# Altium PCB SDRdrum_Arty_RevC.PcbDoc (continued)
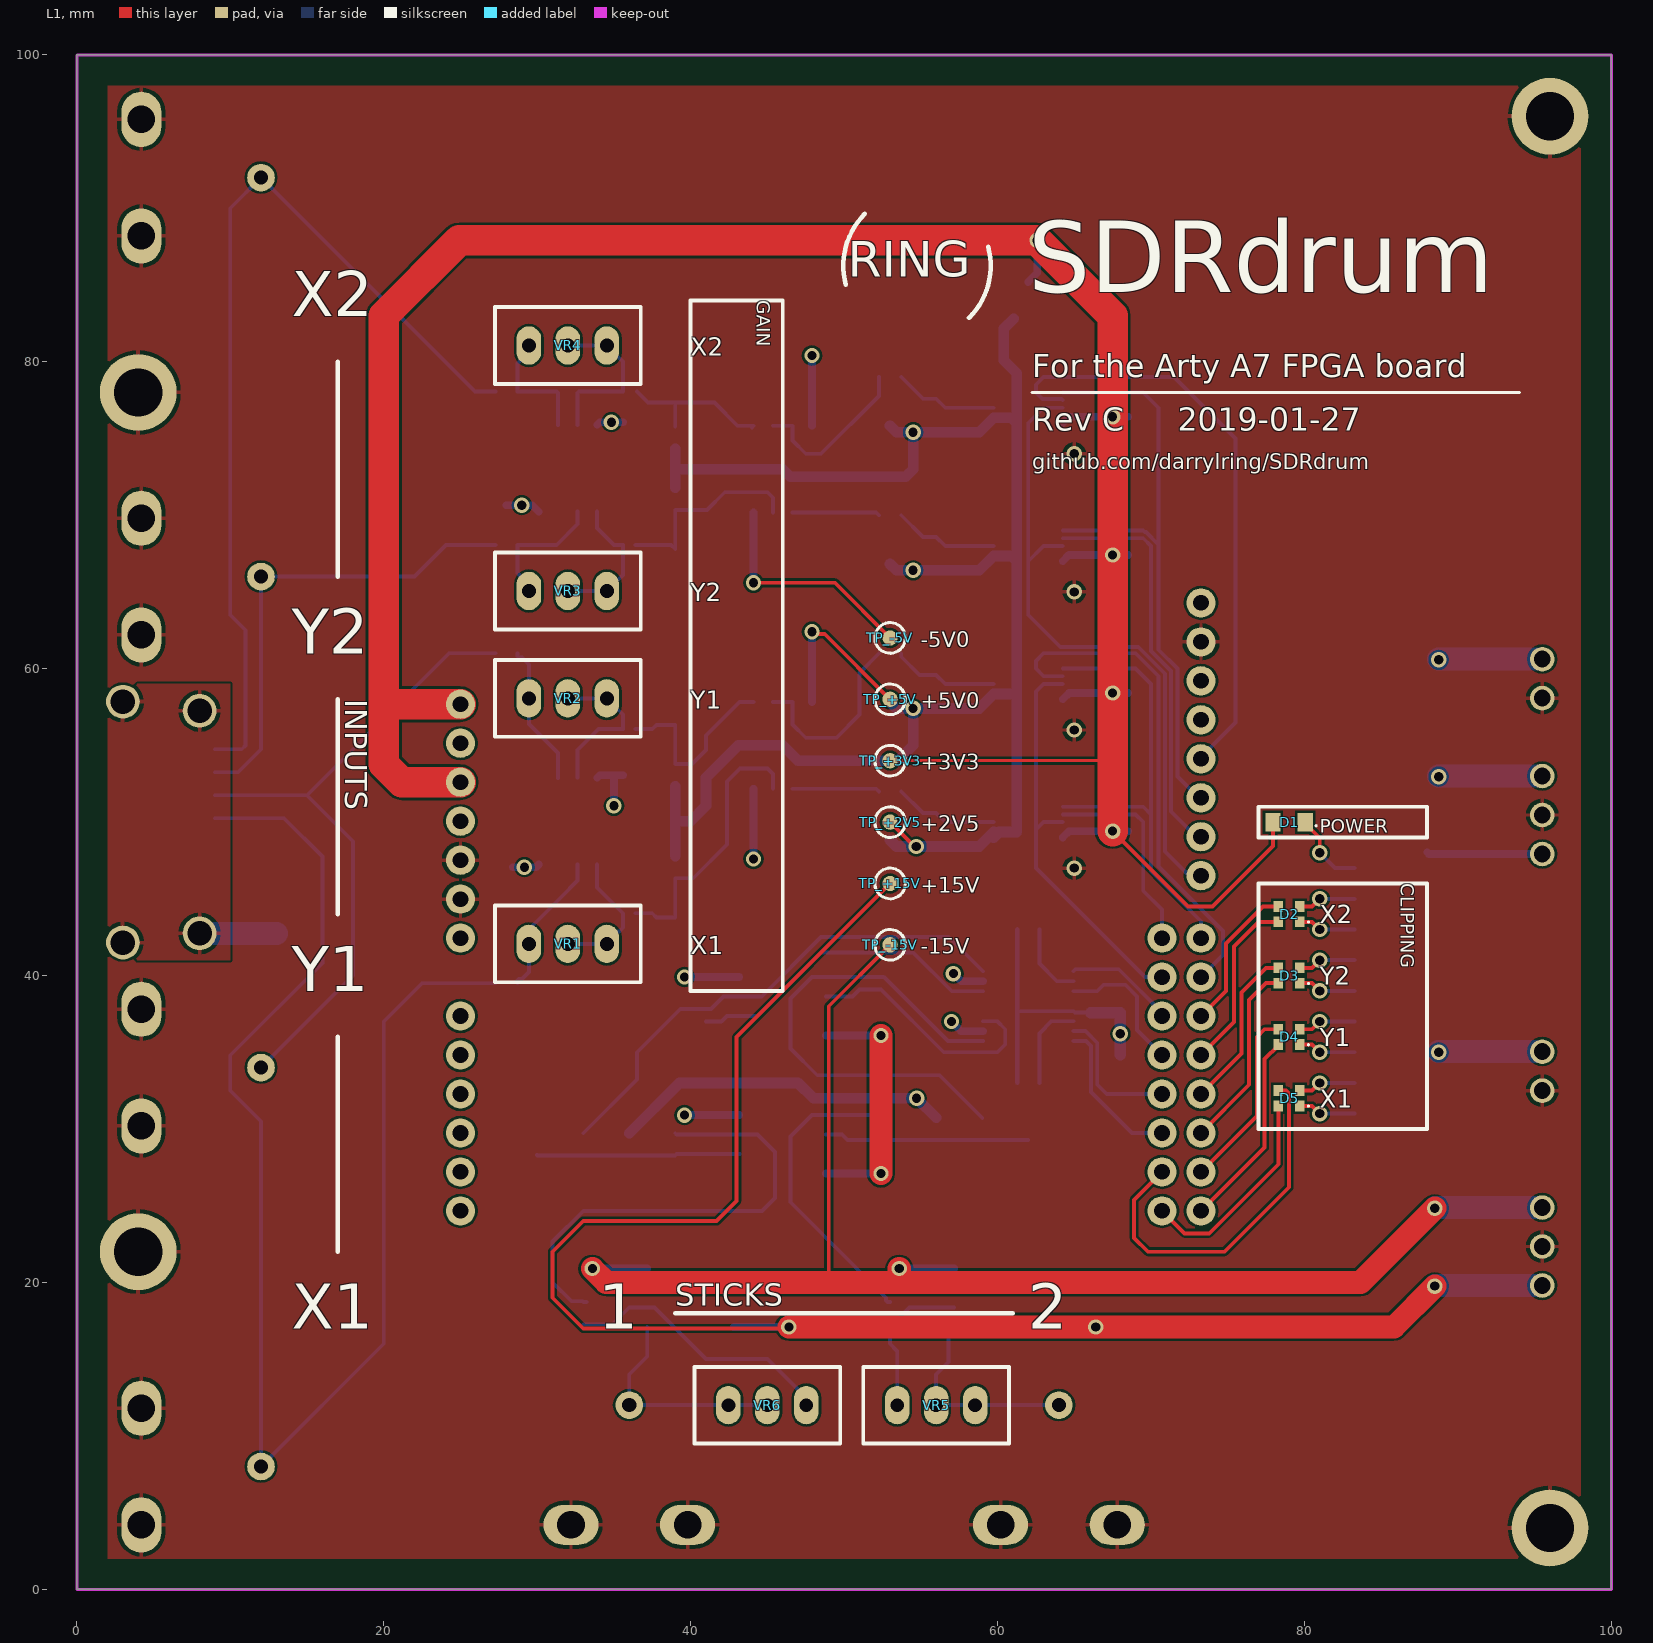
[diagram p0: L1 view]
## Components (designator, comment, footprint, x,y, rotation, side; value= is the part's Value field where it differs from the comment)
C1 "Capacitor" CAP-0402-M 36,44.06 r0 bottom value=1µF
C2 "CAP 2200pF ±10% 25V 0402 X7R" CAP-0402-M 56,51 r270 bottom value=2200pF
C3 "Capacitor" CAP-0402-M 36,56.06 r0 bottom value=1µF
C4 "CAP 2200pF ±10% 25V 0402 X7R" CAP-0402-M 56,60 r270 bottom value=2200pF
C5 "Capacitor" CAP-0402-M 36,68.06 r0 bottom value=1µF
C6 "CAP 2200pF ±10% 25V 0402 X7R" CAP-0402-M 56,69 r270 bottom value=2200pF
C7 "Capacitor" CAP-0402-M 36,78.06 r0 bottom value=1µF
C8 "CAP 2200pF ±10% 25V 0402 X7R" CAP-0402-M 56,78 r270 bottom value=2200pF
C9 "Capacitor" CAP-0402-M 36,53.06 r0 bottom value=0.10µF
C10 "Capacitor" CAP-0402-M 47.5,61 r180 bottom value=0.10µF
C11 "Capacitor" CAP-0402-M 36,76.06 r0 bottom value=0.10µF
C12 "Capacitor" CAP-0402-M 47.5,79 r180 bottom value=0.10µF
C13 "Capacitor" CAP-0402-M 28,47.06 r180 bottom value=0.10µF
C14 "Capacitor" CAP-0402-M 44.5,49 r0 bottom value=0.10µF
C15 "Capacitor" CAP-0402-M 28,71.06 r90 bottom value=0.10µF
C16 "Capacitor" CAP-0402-M 44.5,67 r0 bottom value=0.10µF
C17 "Capacitor" CAP-0402-M 65,16.5 r270 bottom value=0.10µF
C18 "Capacitor" CAP-0402-M 41,31.5 r90 bottom value=0.10µF
C19 "Capacitor" CAP-0402-M 55,21.5 r90 bottom value=0.10µF
C20 "Capacitor" CAP-0402-M 51,26.59 r270 bottom value=0.10µF
C21 "Capacitor" CAP-0402-M 56,48 r270 bottom value=0.10µF
C22 "Capacitor" CAP-0402-M 45,16.5 r270 bottom value=0.10µF
C23 "Capacitor" CAP-0402-M 56,57 r270 bottom value=0.10µF
C24 "Capacitor" CAP-0402-M 35,21.5 r90 bottom value=0.10µF
C25 "Capacitor" CAP-0402-M 66.5,49 r270 bottom value=0.10µF
C26 "Capacitor" CAP-0402-M 68.5,49 r270 bottom value=1µF
C27 "Capacitor" CAP-0402-M 66.5,58 r270 bottom value=0.10µF
C28 "Capacitor" CAP-0402-M 68.5,58 r270 bottom value=1µF
C29 "Capacitor" CAP-0805-M 53,48 r90 bottom value=10µF
C30 "Capacitor" CAP-0805-M 53,57 r90 bottom value=10µF
C31 "Capacitor" CAP-0402-M 56,66 r270 bottom value=0.10µF
C32 "CAP 100pF ±5% 50V 0603 C0G, NP0" CAP-0603-M 62,30 r270 bottom value=100pF
C33 "Capacitor" CAP-0402-M 56,75 r270 bottom value=0.10µF
C34 "CAP 100pF ±5% 50V 0603 C0G, NP0" CAP-0603-M 30,29 r270 bottom value=100pF
C35 "Capacitor" CAP-0402-M 66.5,67 r270 bottom value=0.10µF
C36 "Capacitor" CAP-0402-M 68.5,67 r270 bottom value=1µF
C37 "Capacitor" CAP-0402-M 66.5,76 r270 bottom value=0.10µF
C38 "Capacitor" CAP-0402-M 68.5,76 r270 bottom value=1µF
C39 "Capacitor" CAP-0805-M 53,66 r90 bottom value=10µF
C40 "Capacitor" CAP-0805-M 53,75 r90 bottom value=10µF
C41 "Capacitor" CAP-0805-M 68,34 r90 bottom value=10µF
C42 "Capacitor" CAP-0402-M 68,38 r90 bottom value=0.10µF
C43 "CAP 6.8pF ±0.5pF 50V 0402 C0G, NP0" CAP-0402-M 51,39.5 r90 bottom value=6.8pF
C44 "CAP 6.8pF ±0.5pF 50V 0402 C0G, NP0" CAP-0402-M 41,37.41 r90 bottom value=6.8pF
C45 "Capacitor" CAP-0402-M 41,40.5 r90 bottom value=0.10µF
C46 "Capacitor" CAP-0402-M 51,35.41 r270 bottom value=0.10µF
C47 "Capacitor" CAP-0402-M 63,87 r0 bottom value=1µF
C48 "Capacitor" CAP-0402-M 60,81 r180 bottom value=1µF
C49 "Capacitor" CAP-0805-M 90.5,34.25 r90 bottom value=10µF
C50 "CAP 220nF ±10% 25V 0805 X7R" CAP-0805-M 90.5,20.5 r270 bottom value=220nF
C51 "Capacitor" CAP-0805-M 90.5,59.75 r90 bottom value=10µF
C52 "CAP 220nF ±10% 25V 0805 X7R" CAP-0805-M 90.5,48.75 r270 bottom value=220nF
C53 "CAP 220nF ±10% 25V 0805 X7R" CAP-0805-M 90.5,24 r90 bottom value=220nF
C54 "CAP 220nF ±10% 25V 0805 X7R" CAP-0805-M 90.5,52.25 r90 bottom value=220nF
D1 "150060BS75000" WL-SMCW-0603-B 79,50 r180 top
D2 "150066SV74000" WL-SBCW-0606-GR 79,44 r180 top
D3 "150066SV74000" WL-SBCW-0606-GR 79,40 r180 top
D4 "150066SV74000" WL-SBCW-0606-GR 79,36 r180 top
D5 "150066SV74000" WL-SBCW-0606-GR 79,32 r180 top
J1 "0731000105" 0731000105 12,8 r90 bottom
J2 "0731000105" 0731000105 12,34 r90 bottom
J3 "0731000105" 0731000105 12,66 r90 bottom
J4 "0731000105" 0731000105 12,92 r90 bottom
J5 "0731000105" 0731000105 64,12 r180 bottom
J6 "0731000105" 0731000105 36,12 r180 bottom
J7 "ARTY_1" ARTY-TH_1 49.13,47.012 r270 bottom locked
J8 "10029449-111RLF" 10029449-111RLF 8,50 r90 bottom
R1 "RES 10K 1% 1/10 W 0603 ±100ppm/°C" RES-0603-M 39,47.06 r90 bottom value=10K
R2 "Resistor" RES-0603-M 28,39.5 r180 bottom value=1K
R3 "RES 330R 1% 1/10 W 0603 ±100ppm/°C" RES-0603-M 53,52 r0 bottom value=330R
R4 "RES 10K 1% 1/10 W 0603 ±100ppm/°C" RES-0603-M 39,43.06 r90 bottom value=10K
R5 "RES 100R 1% 1/10 W 0603 ±100ppm/°C" RES-0603-M 84,43 r180 bottom value=100R
R6 "RES 10K 1% 1/10 W 0603 ±100ppm/°C" RES-0603-M 39,53.06 r270 bottom value=10K
R7 "Resistor" RES-0603-M 28,61 r180 bottom value=1K
R8 "RES 330R 1% 1/10 W 0603 ±100ppm/°C" RES-0603-M 53,61 r0 bottom value=330R
R9 "RES 10K 1% 1/10 W 0603 ±100ppm/°C" RES-0603-M 39,57.06 r270 bottom value=10K
R10 "RES 100R 1% 1/10 W 0603 ±100ppm/°C" RES-0603-M 84,45 r180 bottom value=100R
R11 "RES 10K 1% 1/10 W 0603 ±100ppm/°C" RES-0603-M 39,71.06 r90 bottom value=10K
R12 "Resistor" RES-0603-M 28,68.06 r180 bottom value=1K
R13 "RES 330R 1% 1/10 W 0603 ±100ppm/°C" RES-0603-M 53,70 r0 bottom value=330R
R14 "RES 10K 1% 1/10 W 0603 ±100ppm/°C" RES-0603-M 39,67.06 r90 bottom value=10K
R15 "RES 100R 1% 1/10 W 0603 ±100ppm/°C" RES-0603-M 84,39 r180 bottom value=100R
R16 "RES 10K 1% 1/10 W 0603 ±100ppm/°C" RES-0603-M 39,75.06 r270 bottom value=10K
R17 "Resistor" RES-0603-M 28,78.06 r180 bottom value=1K
R18 "RES 330R 1% 1/10 W 0603 ±100ppm/°C" RES-0603-M 53,79 r0 bottom value=330R
R19 "RES 10K 1% 1/10 W 0603 ±100ppm/°C" RES-0603-M 39,78.06 r270 bottom value=10K
R20 "RES 100R 1% 1/10 W 0603 ±100ppm/°C" RES-0603-M 84,47 r180 bottom value=100R
R21 "RES 10K 1% 1/10 W 0603 ±100ppm/°C" RES-0603-M 56,30 r90 bottom value=10K
R22 "RES 10K 1% 1/10 W 0603 ±100ppm/°C" RES-0603-M 53,30 r90 bottom value=10K
R23 "RES 0R Jumper 1/10 W 0603" RES-0603-M 13,42 r270 bottom value=0R
R24 "RES 4K99 1% 1/10 W 0603 ±100ppm/°C" RES-0603-M 59,30 r270 bottom value=4K99
R25 "RES 1K 1% 1/10 W 0603 ±100ppm/°C" RES-0603-M 53,18 r270 bottom value=1K
R26 "RES 10K 1% 1/10 W 0603 ±100ppm/°C" RES-0603-M 36,29 r90 bottom value=10K
R27 "RES 10K 1% 1/10 W 0603 ±100ppm/°C" RES-0603-M 39,29 r90 bottom value=10K
R29 "RES 4K99 1% 1/10 W 0603 ±100ppm/°C" RES-0603-M 33,29 r270 bottom value=4K99
R30 "RES 1K 1% 1/10 W 0603 ±100ppm/°C" RES-0603-M 33,18 r270 bottom value=1K
R31 "Resistor" RES-0603-M 62,43 r0 bottom value=1K
R32 "Resistor" RES-0603-M 62,33 r0 bottom value=1K
R33 "RES 499R 1% 1/10 W 0603 ±100ppm/°C" RES-0603-M 88,48.75 r90 bottom value=499R
R34 "RES 100R 1% 1/10 W 0603 ±100ppm/°C" RES-0603-M 84,41 r180 bottom value=100R
R35 "RES 100R 1% 1/10 W 0603 ±100ppm/°C" RES-0603-M 84,35 r180 bottom value=100R
R36 "RES 100R 1% 1/10 W 0603 ±100ppm/°C" RES-0603-M 84,37 r180 bottom value=100R
R37 "RES 100R 1% 1/10 W 0603 ±100ppm/°C" RES-0603-M 84,31 r180 bottom value=100R
R38 "RES 100R 1% 1/10 W 0603 ±100ppm/°C" RES-0603-M 84,33 r180 bottom value=100R
TP_+2V5 "+15V" TP 53,50 r90 top
TP_+3V3 "+15V" TP 53,54 r90 top
TP_+5V "+15V" TP 53,58 r90 top
TP_+15V "+15V" TP 53,46 r90 top
TP_-5V "+15V" TP 53,62 r90 top
TP_-15V "-15V" TP 53,42 r90 top
U1 "TLC082" SOIC127P600X175-8M 32,50.06 r90 bottom
U2 "TLC082" SOIC127P600X175-8M 46,55 r90 bottom
U3 "TLC082" SOIC127P600X175-8M 32,73.06 r90 bottom
U4 "TLC082" SOIC127P600X175-8M 46,73 r90 bottom
U5 "TLC082" SOIC127P600X175-8M 46,29 r180 bottom
U6 "OPA552" SOIC127P600X175-8M 60,19 r0 bottom
U7 "AD7980ARMZ" TSSOP50P490X110-10N 62,50 r0 bottom
U8 "AD7980ARMZ" TSSOP50P490X110-10N 62,59 r0 bottom
U9 "AD7980ARMZ" TSSOP50P490X110-10N 62,68 r0 bottom
U10 "AD7980ARMZ" TSSOP50P490X110-10N 62,77 r0 bottom
U11 "AD5545" TSOP65P640X120-16N 62,38 r0 bottom
U12 "LT1678" SOIC127P600X175-8M 46,38 r180 bottom
U13 "MCP1700T-2502E/TT" SOT65P237X110-3N 62,84 r90 bottom
U14 "CMR0515S3C" CMR-3C 95.5,35.04 r270 bottom
U15 "PDM1-S5-D5-S" PDM-1S 95.5,60.62 r270 bottom
U16 "OPA552" SOIC127P600X175-8M 40,19 r0 bottom
VR1 "PV36W204C01B00" PV36W 32,42.06 r0 top value=200k
VR2 "PV36W204C01B00" PV36W 32,58.06 r0 top value=200k
VR3 "PV36W204C01B00" PV36W 32,65.06 r0 top value=200k
VR4 "PV36W204C01B00" PV36W 32,81.06 r0 top value=200k
VR5 "PV36W103C01B00" PV36W 56,12 r180 top value=10k
VR6 "PV36W103C01B00" PV36W 45,12 r0 top value=10k

## Footprints (in the part's own frame and the unit in brackets; to place one, negate y for a bottom-side part, rotate by r counter-clockwise, add the part's x,y. Pads: shape width x height; smd on the part's side, far side on the other; paste and mask are expansions set on the pad)
10029449-111RLF [mm]
  oval 0.3x2 smd: 1(4.75,1) 2(4.25,1) 3(3.75,1) 4(3.25,1) 5(2.75,1) 6(2.25,1) 7(1.75,1) 8(1.25,1) 9(0.75,1) 10(0.25,1) 11(-0.25,1) 12(-0.75,1) 13(-1.25,1) 14(-1.75,1) 15(-2.25,1) 16(-2.75,1) 17(-3.25,1) 18(-3.75,1) 19(-4.25,1)
  round 2.2 hole 1.6: MH1(7.25,0) MH2(7.85,-5) MH3(-7.25,0) MH4(-7.85,-5)
  silkscreen extent -7.5,-3.5 7.5,-1.5, body extent -8.1,-8.45 8.1,1.65, height 6.28
0731000105 [mm]
  round 1.8 hole 0.92: 1(0,0)
  oval 3.6x2.6 hole 1.8: S(-3.8,-7.8) S(3.8,-7.8)
  body extent -4.82,-25.4 4.82,-3.6, height 8.62
ARTY-TH_1 [mil]
  round 75 hole 40: 2(-420,950) 3(-320,950) 4(-220,950) 5(-120,950) 6(-20,950) 7(80,950) 8(180,950) 9(380,950) 10(480,950) 11(580,950) 12(680,950) 13(780,950) 14(880,950) 33(180,-850) 34(280,-850) 35(380,-850) 36(480,-850) 37(580,-850) 38(680,-850) 39(780,-850) 40(880,-850) 43(-680,-950) 44(-580,-950) 45(-480,-950) 46(-380,-950) 47(-280,-950) 48(-180,-950) 49(-80,-950) 50(20,-950) 51(180,-950) 52(280,-950) 53(380,-950) 54(480,-950) 55(580,-950) 56(680,-950) 57(780,-950) 58(880,-950)
  body extent -3210,-1749 1169,1651, height 697
CAP-0402-M [mm] "Chip Capacitor, 2-Leads, Body 1.00x0.50mm, IPC High Density"
  rect 0.52x0.52 smd: 1(-0.41,0) 2(0.41,0)
  silkscreen extent -1,-0.5 1,0.5, body extent -0.52,-0.28 0.52,0.27, height 0.55
CAP-0603-M [mm] "Chip Capacitor, 2-Leads, Body 1.60x0.80mm, IPC Medium Density"
  rect 0.8x1 smd: 1(-0.7,0) 2(0.7,0)
  silkscreen extent -1.4,-0.8 1.4,0.8, body extent -0.87,-0.48 0.88,0.48, height 0.9
CAP-0805-M [mm] "Chip Capacitor, 2-Leads, Body 2.00x1.25mm, IPC High Density"
  rect 0.8x1.3 smd: 1(-0.825,0) 2(0.825,0)
  silkscreen extent -1.5,-0.9 1.5,0.9, body extent -1.05,-0.67 1.05,0.68, height 1.35
CMR-3C [mm]
  round 1.6 hole 1.1: 1(0,0) 2(2.54,0) 3(10.16,0) 4(12.7,0) 5(15.24,0)
  silkscreen extent -1.88,-4.75 17.62,1.25, body extent -2,-4.75 17.62,1.25, height 10
PDM-1S [mm]
  round 1.6 hole 1.1: 1(0,0) 2(2.54,0) 3(7.62,0) 4(10.16,0) 5(12.7,0)
  silkscreen extent -1.88,-4.75 17.62,1.25, body extent -2,-4.75 17.62,1.25, height 10
PV36W [mm]
  oval 1.6x2.5 hole 0.9: 1(-2.54,0) 2(0,0) 3(2.54,0)
  silkscreen extent -4.75,-2.5 4.75,2.5, body extent -4.75,-2.5 4.75,2.5, height 10
RES-0603-M [mm] "Chip Resistor, 2-Leads, Body 1.60x0.80mm, IPC High Density"
  rect 0.45x0.8 smd: 1(-0.725,0) 2(0.725,0)
  silkscreen extent -1.2,-0.7 1.2,0.7, body extent -0.85,-0.45 0.85,0.45, height 0.55
SOIC127P600X175-8M [mm] "SOIC, 8-Leads, Body 4.90x3.90mm, Pitch 1.27mm, IPC Low Density"
  oval 1.65x0.65 smd: 1(-2.825,1.905) 2(-2.825,0.635) 3(-2.825,-0.635) 4(-2.825,-1.905) 5(2.825,-1.905) 6(2.825,-0.635) 7(2.825,0.635) 8(2.825,1.905)
  silkscreen extent -2.95,-2.5 1.6,2.91, body extent -3,-2.5 3,2.5, height 1.75
SOT65P237X110-3N [mm] "SOT23, 3-Leads, Body 2.86x2.37mm, Pitch 0.65mm, IPC Medium Density"
  rect 1x0.65 smd: 1(-1.2,0.95) 2(-1.2,-0.95) 3(1.2,0)
  silkscreen extent -1.32,-1.55 0.7,2.02, body extent -1.32,-1.53 1.32,1.53, height 1.1
TP [mm]
  round 1 smd: 1(0,0)
  silkscreen extent -1,-1 1,1
TSOP65P640X120-16N [mm] "TSOP, 16-Leads, Body 5.00x4.40mm, Pitch 0.65mm, IPC Medium Density"
  oval 1.4x0.45 smd: 1(-2.95,2.275) 2(-2.95,1.625) 3(-2.95,0.975) 4(-2.95,0.325) 5(-2.95,-0.325) 6(-2.95,-0.975) 7(-2.95,-1.625) 8(-2.95,-2.275) 9(2.95,-2.275) 10(2.95,-1.625) 11(2.95,-0.975) 12(2.95,-0.325) 13(2.95,0.325) 14(2.95,0.975) 15(2.95,1.625) 16(2.95,2.275)
  silkscreen extent -3.07,-2.55 1.85,3.17, body extent -3.2,-2.55 3.2,2.55, height 1.2
TSSOP50P490X110-10N [mm] "TSSOP, 10-Leads, Body 3.00x3.00mm, Pitch 0.50mm, IPC Medium Density"
  oval 1.4x0.3 smd: 1(-2.25,1) 2(-2.25,0.5) 3(-2.25,0) 4(-2.25,-0.5) 5(-2.25,-1) 6(2.25,-1) 7(2.25,-0.5) 8(2.25,0) 9(2.25,0.5) 10(2.25,1)
  silkscreen extent -2.37,-1.55 1.15,1.82, body extent -2.45,-1.55 2.45,1.55, height 1.1
WL-SBCW-0606-GR [mm] "Chip Array, Concave, 4-Leads, Pitch 0.85mm,  Body 1.60x1.60mm,  IPC Medium Density"
  rect 0.6x0.7 smd: 1(-0.7,-0.5) 2(0.7,-0.5) 3(-0.7,0.5) 4(0.7,0.5)
  silkscreen extent -1.31,0.46 -1.21,0.56, body extent -0.9,-0.85 0.9,0.85, height 0.7
WL-SMCW-0603-B [mm] "Chip Array, Concave, 2-Leads, Pitch 1.27mm,  Body 1.25x2.00mm,  IPC Medium Density"
  rect 1x1.2 smd: 1(-1.05,0) 2(1.05,0)
  silkscreen extent -1.81,0.19 -1.71,0.29, body extent -1.1,-0.67 1.1,0.67, height 0.7

## Part data
C1 C3 C5 C7 C26 C28 C36 C38 C47 C48: library part CC0402KRX5R6BB105, Manufacturer=Yageo, Manufacturer Series=CC, Package=0402, Supplier Part Number 1=311-1439-1-ND, Temperature Coefficient=X5R, Temperature Range="-55°C ~ 85°C", Tolerance=±10%, Voltage=10V, Component Type=Standard, Part Number=CC0402KRX5R6BB105, Supplier 1=Digi-Key
C2 C4 C6 C8: library part CC0402KRX7R8BB222, Manufacturer=Yageo, Manufacturer Series=CC, Package=0402, Supplier Part Number 1=311-1714-1-ND, Temperature Coefficient=X7R, Temperature Range="-55°C ~ 125°C", Tolerance=±10%, Voltage=25V, Component Type=Standard, Part Number=CC0402KRX7R8BB222, Supplier 1=Digi-Key
C9 C10 C11 C12 C13 C14 C15 C16 C17 C18 C19 C20 C21 C22 C23 C24 C25 C27 C31 C33 C35 C37 C42 C45 C46: library part CC0402KRX5R6BB104, Manufacturer=Yageo, Manufacturer Series=CC, Package=0402, Supplier Part Number 1=311-1336-1-ND, Temperature Coefficient=X5R, Temperature Range="-55°C ~ 85°C", Tolerance=±10%, Voltage=10V, Component Type=Standard, Part Number=CC0402KRX5R6BB104, Supplier 1=Digi-Key
C29 C30 C39 C40 C41 C49 C51: library part CC0805KKX5R6BB106, Manufacturer=Yageo, Manufacturer Series=CC, Package=0805, Supplier Part Number 1=311-1460-1-ND, Temperature Coefficient=X5R, Temperature Range="-55°C ~ 85°C", Tolerance=±10%, Voltage=10V, Component Type=Standard, Part Number=CC0805KKX5R6BB106, Supplier 1=Digi-Key
C32 C34: library part CC0603JRNPO9BN101, Manufacturer=Yageo, Manufacturer Series=CC, Package=0603, Supplier Part Number 1=311-1069-1-ND, Temperature Coefficient="C0G, NP0", Temperature Range="-55°C ~ 125°C", Tolerance=±5%, Voltage=50V, Component Type=Standard, Part Number=CC0603JRNPO9BN101, Supplier 1=Digi-Key
C43 C44: library part CC0402DRNPO9BN6R8, Manufacturer=Yageo, Manufacturer Series=CC, Package=0402, Supplier Part Number 1=311-1637-1-ND, Temperature Coefficient="C0G, NP0", Temperature Range="-55°C ~ 125°C", Tolerance=±0.5pF, Voltage=50V, Component Type=Standard, Part Number=CC0402DRNPO9BN6R8, Supplier 1=Digi-Key
C50 C52 C53 C54: library part CC0805KRX7R8BB224, Manufacturer=Yageo, Manufacturer Series=CC, Package=0805, Supplier Part Number 1=311-1432-1-ND, Temperature Coefficient=X7R, Temperature Range="-55°C ~ 125°C", Tolerance=±10%, Voltage=25V, Component Type=Standard, Part Number=CC0805KRX7R8BB224, Supplier 1=Digi-Key
D1: "LED, Blue (470 nm), 145 mcd, 20 mA, 0805", Supplier Part Number 1=475-1410-1-ND, Supplier 1=Digi-Key
D2 D3 D4 D5: "LED, Green (570 nm)/Red (630 nm), Independent, 30 mcd/55 mcd, 20 mA, 0606"
R1 R4 R6 R9 R11 R14 R16 R19 R21 R22 R26 R27: library part RC0603FR-0710KL, Manufacturer=Yageo, Manufacturer Series=RC, Package=0603, Power="1/10 W", Supplier Part Number 1=311-10.0KHRCT-ND, Temperature Coefficient=±100ppm/°C, Temperature Range="-55°C ~ 155°C", Tolerance=1%, Component Type=Standard, Part Number=RC0603FR-0710KL, Supplier 1=Digi-Key
R2 R7 R12 R17 R25 R30 R31 R32: library part RC0603FR-071KL, Manufacturer=Yageo, Manufacturer Series=RC, Package=0603, Power="1/10 W", Supplier Part Number 1=311-1.00KHRCT-ND, Temperature Coefficient=±100ppm/°C, Temperature Range="-55°C ~ 155°C", Tolerance=1%, Component Type=Standard, Part Number=RC0603FR-071KL, Supplier 1=Digi-Key
R3 R8 R13 R18: library part RC0603FR-07330RL, Manufacturer=Yageo, Manufacturer Series=RC, Package=0603, Power="1/10 W", Supplier Part Number 1=311-330HRCT-ND, Temperature Coefficient=±100ppm/°C, Temperature Range="-55°C ~ 155°C", Tolerance=1%, Component Type=Standard, Part Number=RC0603FR-07330RL, Supplier 1=Digi-Key
R5 R10 R15 R20 R34 R35 R36 R37 R38: library part RC0603FR-07100RL, Manufacturer=Yageo, Manufacturer Series=RC, Package=0603, Power="1/10 W", Supplier Part Number 1=311-100HRCT-ND, Temperature Coefficient=±100ppm/°C, Temperature Range="-55°C ~ 155°C", Tolerance=1%, Component Type=Standard, Part Number=RC0603FR-07100RL, Supplier 1=Digi-Key
R23: library part RC0603FR-070RL, Manufacturer=Yageo, Manufacturer Series=RC, Package=0603, Power="1/10 W", Supplier Part Number 1=311-0.0HRCT-ND, Temperature Range="-55°C ~ 155°C", Tolerance=Jumper, Component Type=Standard, Part Number=RC0603FR-070RL, Supplier 1=Digi-Key
R24 R29: library part RC0603FR-074K99L, Manufacturer=Yageo, Manufacturer Series=RC, Package=0603, Power="1/10 W", Supplier Part Number 1=311-4.99KHRCT-ND, Temperature Coefficient=±100ppm/°C, Temperature Range="-55°C ~ 155°C", Tolerance=1%, Component Type=Standard, Part Number=RC0603FR-074K99L, Supplier 1=Digi-Key
R33: library part RC0603FR-07499RL, Manufacturer=Yageo, Manufacturer Series=RC, Package=0603, Power="1/10 W", Supplier Part Number 1=311-499HRCT-ND, Temperature Coefficient=±100ppm/°C, Temperature Range="-55°C ~ 155°C", Tolerance=1%, Component Type=Standard, Part Number=RC0603FR-07499RL, Supplier 1=Digi-Key
TP_+2V5 TP_+3V3 TP_+5V TP_+15V TP_-5V TP_-15V: library part TP
U1 U2 U3 U4 U5: "36-V, PrOperational Amplifiers, 8-Pin SOIC"
U6 U16: "Op Amp, 12 MHz, 24 V/us, +/-30 V, 8 SOIC"
U11: "Dual, Current-Output, Serial-Input, 16-Bit DAC, 16-Pin TSSOP", Supplier Part Number 1=AD5545BRUZ-ND, Supplier 1=Digi-Key
U12: "Dual/Quad Low Noise, Rail-to-Rail, Precision Op Amps, 8-Pin SOIC", Supplier Part Number 1=LT1678CS8#PBF-ND, Supplier 1=Digi-Key
U13: Supplier Part Number 1=MCP1700T-2502E/TTCT-ND, Supplier 1=Digi-Key
U14: Supplier Part Number 1=811-2900-5-ND, Supplier 1=Digi-Key
VR5 VR6: "Potentiometer, 10 k, 10%, 0.5 W, Through Hole"

## Free pads (board coordinates)
  round 5 hole 3.15: 0(4,22) 0(4,78) 0(96,4) 0(96,96)

## Via types
v1: diameter 1, hole 0.6, L1 to L4, tented both sides, 47 vias

## Nets (pads, with @x,y where several pads share a name; then routed paths per layer and width w, separated by ;. In a path a pad name is that pad's centre, name@x,y a point inside that pad or via, vN(x,y) a via of type N, cw(c..) or ccw(c..) an arc to the next point about the centre after c; other vN are vias at no path point)
+2V5: C21.1 C23.1 C29.2 C30.2 C31.1 C33.1 C39.2 C40.2 C48.1 R1.2 R6.2 R11.2 R16.2 R21.2 R26.2 TP_+2V5.1 U7.1 U7.2 U8.1 U8.2 U9.1 U9.2 U10.1 U10.2 U11.2 U11.7 U13.2 | length 164.5
  L1 w0.254: TP_+2V5.1 54.59,48.41 v1(54.708,48.41)
  L3 (PWR) w0.5: v1(54.708,48.41) 57,46.118 v1(57,37)
  L3 (PWR) w0.7: v1(54.725,32) 57,34.275 v1(57,37)
  L4 w0.5: v1(57,37) 57.625,36.375 U11.2 ; v1(57.125,40.125) 57.626,39.625 U11.7
  L4 w0.7: R26.2 39.275,33 47,33 48,32 v1(54.725,32) R21.2 ; R1.2 39,50.06 ; R6.2 39,50.06 ; R11.2 39,73 ; R16.2 39,73 ; C29.2 53.415,48.41 v1(54.708,48.41) C21.1 58.814,48.41 59.75,49.346 ; C30.2 53.415,57.41 v1(54.5,57.41) ; C39.2 53.415,66.41 v1(54.5,66.41) C31.1 58.814,66.41 59.75,67.346 60.904,67.346 61.25,67 ; C40.2 53.415,75.41 v1(54.5,75.41) ; U7.1 60.096,49.346 61.25,49.346 61.25,58.173 ; U13.2 60.41,82.16 C48.1 60.41,80.09 61.25,79.25 61.25,76 ; 39,50.06 40,50.06 41,51.06 41,52.885 43.115,55 46,55 47,54 53.5,54 54.5,55 v1(54.5,57.41) ; 39,73 46,73 46.5,72.5 54,72.5 54.5,73 v1(54.5,75.41) ; v1(54.5,57.41) C23.1 58.814,57.41 59.75,58.346 61.077,58.346 61.25,58.173 ; v1(54.5,75.41) C33.1 58.814,75.41 59.75,76.346 60.904,76.346 61.25,76 ; 61.25,58.173 61.25,67 ; 61.25,67 61.25,76
+3V3: C25.1 C26.1 C27.1 C28.1 C35.1 C36.1 C37.1 C38.1 C47.1 D1.2 J7.2 J7.4 TP_+3V3.1 U7.9 U7.10 U8.9 U8.10 U9.9 U9.10 U10.9 U10.10 U13.3 | length 175.5
  L1 w0.2: TP_+3V3.1 67.5,54
  L1 w0.254: v1(67.5,49.41) 72.41,44.5 74,44.5 77.95,48.45 D1.2
  L1 w2: 20,57.85 20,83 24.91,87.91 v1(62.59,87.91) 67.5,83 v1(67.5,76.41) 67.5,54 v1(67.5,49.41) ; J7.4 21.172,52.6 20,53.772 20,57.68 J7.2
  L4 w0.5: U13.3 62.59,85.79 C47.1 v1(62.59,87.91) ; U7.10 64.66,49.41 C25.1 v1(67.5,49.41) C26.1 ; U8.10 64.66,58.41 C27.1 v1(67.5,58.41) C28.1 ; U9.10 64.66,67.41 C35.1 v1(67.5,67.41) C36.1 ; U10.10 64.66,76.41 C37.1 v1(67.5,76.41) C38.1
+5V: C9.1 C10.1 C11.1 C12.1 C18.1 C41.2 C42.1 C45.1 C49.2 C51.2 J7.5 R31.1 R32.1 TP_+5V.1 U1.8 U2.8 U3.8 U4.8 U5.8 U11.13 U12.8 U14.1 U15.1 | length 61.9
  L1 w0.254: v1(47.905,62.405) 48.048,62.262 48.738,62.262 TP_+5V.1
  L4 w0.25: 61.275,37.5 61.45,37.675 U11.13 65.035,37.59 66.09,37.59
  L4 w0.3: R32.1 61.275,37.5 R31.1
  L4 w0.5: U1.8 34.08,53.06 35,53.06 ; U3.8 34.08,76.06 v1(34.835,76.06) C11.1 ; v1(35,51.06) 35,53.06 ; C9.1 35,53.06 ; v1(39.595,30.905) U5.8 ; v1(39.595,39.905) U12.8 ; U2.8 v1(47.905,62.405) ; U4.8 v1(47.905,80.405)
  L4 w0.75: 66.09,37.59 C42.1 C41.2
  L4 w1.5: v1@88.75,35.04 U14.1 ; v1@88.75,60.62 U15.1
  other v1: 88.75,34.998 68,36.208 88.75,60.578
+15V: C17.1 C22.1 C50.2 TP_+15V.1 U6.8 U14.5 U16.8 | length 114.8
  L1 w0.254: v1(46.405,17.095) 46.31,17 33,17 31,19 31,22 33,24 41.69,24 43,25.31 43,36 TP_+15V.1
  L1 w1.5: v1(46.405,17.095) v1(66.405,17.095) 85.837,17.095 v1(88.5,19.758)
  L4 w0.5: U16.8 v1(46.405,17.095) ; U6.8 v1(66.405,17.095)
  L4 w1.5: v1@88.5,19.8 U14.5
-5V: C13.1 C14.1 C15.1 C16.1 C20.1 C46.1 C54.2 TP_-5V.1 U1.4 U2.4 U3.4 U4.4 U5.4 U12.4 U15.3 | length 115.5
  L1 w0.254: v1(44.095,65.595) 49.405,65.595 TP_-5V.1
  L1 w1.5: v1(52.405,27.095) v1(52.405,36.095)
  L3 (PWR) w1.5: 41,72 69.708,72 v1(88.75,52.958)
  L3 (PWR) w2: 44.475,46.15 44.475,44.025 v1(52.405,36.095)
  L4 w0.5: C15.1 v1(29,70.65) 29.68,70.65 U3.4 ; C13.1 29.92,47.06 U1.4 ; v1(44.095,47.595) U2.4 ; v1(44.095,65.595) U4.4 ; U5.4 v1(52.405,27.095) ; U12.4 v1(52.405,36.095)
  L4 w1.5: v1@88.75,53 U15.3
  other v1: 29.165,47.06
-15V: C19.1 C24.1 C53.2 TP_-15V.1 U6.4 U14.3 U16.4 | length 96.1
  L1 w0.254: 49,20 49,38 TP_-15V.1
  L1 w1.5: v1(33.595,20.905) 34.5,20 49,20 53.46,20 ; v1(53.595,20.905) 53.595,20.135 53.46,20 ; v1(88.5,24.838) 83.662,20 53.46,20
  L4 w0.5: v1(33.595,20.905) U16.4 ; v1(53.595,20.905) U6.4
  L4 w1.5: v1@88.5,24.88 U14.3
A_CLIP: D2.2 J7.53 | length 9.8
  L1 w0.254: J7.53 74.9,39 74.9,42.1 77.3,44.5 D2.2
A_OK: D2.4 J7.54 | length 11.5
  L1 w0.254: J7.54 75.4,36.96 75.4,41.9 77,43.5 D2.4
ADC_A_DATA: J7.47 U10.7 | length 39.2
  L4 w0.25: U10.7 64.181,77.569 62.931,77.569 62.5,78 62.5,78.5 63,79 71.5,79 75.5,75 75.5,56.482 J7.47@73.13,54.112
ADC_A_IN: C8.2 R18.2 U10.3 | length 6.9
  L4 w0.25: R18.2 55.135,77.59 C8.2 56.59,77 U10.3
ADC_AB_CLK: J7.50 U9.8 U10.8 | length 42.8
  L4 w0.25: U9.8 63,68 62,67 ; U10.8 63,77 62,76 62,67 ; J7.50@73.13,46.492 72.508,46.492 70.908,48.092 70.908,59.669 69.169,61.408 64.092,61.408 62,63.5 62,67
ADC_AB_CNV: J7.48 U9.6 U10.6 | length 39.8
  L4 w0.25: U9.6 69.5,69 69.592,68.908 69.669,68.908 70.5,68.077 ; U10.6 69.5,78 70.5,77 70.5,68.077 ; J7.48@73.13,51.572 71.724,52.978 71.724,60.007 70.5,61.231 70.5,68.077
ADC_B_DATA: J7.49 U9.7 | length 26.3
  L4 w0.25: U9.7 69.5,68.5 70,68 70,61.154 71.316,59.838 71.316,50.684 72.968,49.032 J7.49@73.13,49.032
ADC_B_IN: C6.2 R13.2 U9.3 | length 6.9
  L4 w0.25: R13.2 55.135,68.59 C6.2 56.59,68 U9.3
ADC_C_DATA: J7.52 U8.7 | length 33.2
  L4 w0.25: U8.7 63,59.5 62.5,60 62.5,60.5 63,61 69,61 70.5,59.5 70.5,47.1 74.7,42.9 74.7,41.34 J7.52
ADC_C_IN: C4.2 R8.2 U8.3 | length 7
  L4 w0.25: R8.2 53.725,60.775 54.91,59.59 C4.2 56.59,59 U8.3
ADC_CD_CLK: J7.34 U7.8 U8.8 | length 26.6
  L4 w0.25: U7.8 63,50 62.5,49.5 ; U8.8 63,59 62.5,58.5 62.5,49.5 ; J7.34 69.6,39.9 62.5,47 62.5,49.5
ADC_CD_CNV: J7.51 U7.6 U8.6 | length 30
  L4 w0.25: U7.6 69.5,51 70,50.5 ; U8.6 69,60 70,59 70,50.5 ; J7.51 73.26,43.54 70,46.8 70,50.5
ADC_D_DATA: J7.33 U7.7 | length 13.8
  L4 w0.25: U7.7 69,50.5 69.5,50 69.5,45.52 70.72,44.3 J7.33 J7.33@70.5,42.66
ADC_D_IN: C2.2 R3.2 U7.3 | length 6.9
  L4 w0.25: R3.2 55.135,50.59 C2.2 56.59,50 U7.3
B_CLIP: D3.2 J7.55 | length 10.8
  L1 w0.254: J7.55 75.9,34.92 75.9,38.892 77.508,40.5 D3.2
B_OK: D3.4 J7.56 | length 12.3
  L1 w0.254: J7.56 76.4,32.88 76.4,38.4 77.5,39.5 D3.4
C_CLIP: D4.2 J7.57 | length 11.9
  L1 w0.254: J7.57 76.9,30.84 76.9,36 77.4,36.5 D4.2
C_OK: D4.4 J7.58 | length 12.9
  L1 w0.254: J7.58 77.4,28.8 77.4,34.55 78.3,35.45 D4.4
CRNR_IN1: J4.1 J8.1 R17.2 | length 61.4
  L4 w0.25: J8.1 10.75,54.75 11,55 11,62.5 10,63.5 10,90 J4.1 25.94,78.06 R17.2
CRNR_IN2: J3.1 J8.4 R12.2 | length 31
  L4 w0.25: J8.4 10.5,53.25 12,54.75 J3.1 22,66 24.06,68.06 R12.2
CRNR_IN3: J2.1 J8.7 R7.2 | length 43.6
  L4 w0.25: J8.7 15,51.75 ; J2.1 18,40 18,48.75 15,51.75 ; R7.2 24.25,61 15,51.75
CRNR_IN4: J1.1 J8.10 R2.2 | length 91.7
  L4 w0.25: J8.10 13.5,50.25 16,47.75 16,40.8 10,34.8 10,32.5 12,30.5 J1.1 20,16 20,37 22.5,39.5 R2.2
D_CLIP: D5.2 J7.39 | length 24.1
  L1 w0.254: J7.39 68.9,25.38 68.9,22.9 69.8,22 74.8,22 79,26.2 79,32.3 78.8,32.5 D5.2
D_OK: D5.4 J7.40 | length 13.8
  L1 w0.254: J7.40 72.18,23.2 73.8,23.2 78.3,27.7 D5.4
DAC_CLK: J7.38 U11.16 | length 10
  L4 w0.25: U11.16 65.775,35.725 66.09,35.41 66.09,32.41 68.76,29.74 J7.38
DAC_CS: J7.36 U11.11 | length 9.1
  L4 w0.25: U11.11 66.475,38.975 66.9,39.4 68.338,39.4 69.1,38.638 69.1,38.056 69.083,38.038 69.083,36.457 J7.36
DAC_LDAC: J7.37 U11.15 | length 9
  L4 w0.25: U11.15 65.725,36.375 66.5,35.6 66.5,32.9 67.12,32.28 J7.37
DAC_OUT1: C43.2 R24.1 U11.1 U12.1 | length 32.5
  L4 w0.25: R24.1 56.225,33.5 48.25,33.5 46.5,35.25 46.5,38.5 47.905,39.905 U12.1 48.83,39.91 C43.2 52.59,39.91 56.775,35.725 U11.1
DAC_OUT1_I: C43.1 U11.3 U12.2 | length 16.4
  L4 w0.25: U12.2 50.545,38.635 C43.1 52.41,39.09 56.5,35 60,35 60.5,35.5 60.5,36.5 59.975,37.025 U11.3
DAC_OUT2: C44.2 R29.1 U11.8 U12.7 | length 33.3
  L4 w0.25: R29.1 36.5,33.225 36.5,35 39.32,37.82 C44.2 41.32,37.82 42.135,38.635 U12.7 44.635,38.635 48.5,42.5 56.825,42.5 U11.8
DAC_OUT2_I: C44.1 U11.6 U12.6 | length 21
  L4 w0.25: C44.1 42,37 42.365,37.365 U12.6 44.365,37.365 48.5,41.5 54.5,41.5 57.025,38.975 U11.6
DAC_SDI: J7.35 U11.9 | length 7.2
  L4 w0.25: U11.9 65.083,40.408 67.3,40.408 67.904,40.408 70.72,37.592 J7.35
GND: C2.1 C4.1 C6.1 C8.1 C9.2 C10.2 C11.2 C12.2 C13.2 C14.2 C15.2 C16.2 C17.2 C18.2 C19.2 C20.2 C21.2 C22.2 C23.2 C24.2 C25.2 C26.2 C27.2 C28.2 C29.1 C30.1 C31.2 C32.1 C33.2 C34.1 C35.2 C36.2 C37.2 C38.2 C39.1 C40.1 C41.1 C42.2 C45.2 C46.2 C47.2 C48.2 C49.1 C50.1 C51.1 C52.1 C53.1 C54.1 J1.S J2.S J3.S J4.S J5.S J6.S J7.6 J7.7 J7.44 J8.2 J8.5 J8.8 J8.11 pad.0 R4.1 R5.1 R9.1 R10.1 R14.1 R15.1 R19.1 R20.1 R23.2 R33.2 R34.1 R35.1 R36.1 R37.1 R38.1 U1.3 U1.5 U3.3 U3.5 U5.3 U5.5 U6.3 U7.4 U7.5 U8.4 U8.5 U9.4 U9.5 U10.4 U10.5 U11.4 U11.5 U11.12 U12.3 U12.5 U13.1 U14.2 U14.4 U15.2 U15.4 U16.3
  other v1: 65,47 65,56 65,65 65,74
HDMI_SHLD: J8.MH1 J8.MH2 J8.MH3 J8.MH4 R23.1 | length 5
  L4 w1.5: J8.MH3 8.025,42.725 R23.1
NetC1_1: C1.1 U1.1 VR1.2 VR1.3 | length 8.9
  L4 w0.25: VR1.2 VR1.3 34.54,42.145 35.261,42.866 35.346,42.866 35.59,43.11 C1.1 33.905,45.745 U1.1
NetC1_2: C1.2 R1.1 R4.2 U2.3 | length 18.1
  L4 w0.25: C1.2 37.5,44.06 37.775,43.785 R4.2 R1.1 40.17,46.335 42.365,48.53 42.365,52.64 43.225,53.5 45,53.5 45.365,53.135 U2.3
NetC3_1: C3.1 U1.7 VR2.2 VR2.3 | length 10.4
  L4 w0.25: VR2.2 VR2.3 34.54,57.975 35.164,57.352 35.248,57.352 35.59,57.01 C3.1 33.995,56.06 32.635,54.7 U1.7
NetC3_2: C3.2 R6.1 R9.2 U2.5 | length 12.6
  L4 w0.25: C3.2 37.5,56.06 37.775,56.335 R9.2 R6.1 40.085,53.785 41,54.7 41,55.65 43.175,57.825 U2.5
NetC5_1: C5.1 U3.1 VR3.2 VR3.3 | length 9.2
  L4 w0.25: VR3.2 VR3.3 34.54,65.145 35.164,65.768 35.248,65.768 35.59,66.11 C5.1 35,68.06 33.905,69.155 U3.1
NetC5_2: C5.2 R11.1 R14.2 U4.3 | length 13.2
  L4 w0.25: C5.2 38.725,68.06 R14.2 R11.1 41.06,70.335 42.225,71.5 45,71.5 45.365,71.135 U4.3
NetC7_1: C7.1 U3.7 VR4.2 VR4.3 | length 11.1
  L4 w0.25: VR4.2 VR4.3 34.54,80.975 35.164,80.352 35.248,80.352 35.59,80.01 C7.1 32.725,78.06 32.635,77.97 U3.7
NetC7_2: C7.2 R16.1 R19.2 U4.5 | length 10.2
  L4 w0.25: C7.2@36.5,78.06 37.225,77.335 R19.2 ; R16.1 R19.2 ; U4.5@43.995,75.725 U4.5 43.06,75.825 41.55,77.335 R19.2
NetC32_2: C32.2 R21.1 R22.1 R24.2 U5.2 | length 13.3
  L4 w0.25: U5.2 49.865,29.635 50.225,29.275 R22.1 R21.1 R24.2
  L4 w0.254: R24.2 61.975,29.275 C32.2
NetC34_2: C34.2 R26.1 R27.1 R29.2 U5.6 | length 13.2
  L4 w0.25: R29.2 R26.1 R27.1 39.09,28.365 U5.6
  L4 w0.254: C34.2 30.025,28.275 R29.2
NetC52_2: C52.2 R33.1 U15.5 | length 7.5
  L4 w0.5: R33.1 88.105,47.92 U15.5
NetD1_1: D1.1 R20.2 | length 5.2
  L1 w0.254: D1.1 80,50 80,49.95 81,48.95 v1(81,48)
  L4 w0.254: v1(81,48) 82,47 R20.2
NetD2_1: D2.1 R10.2 | length 3.8
  L1 w0.254: D2.1 80.5,44.5 v1(81,45)
  L4 w0.254: v1(81,45) R10.2
NetD2_3: D2.3 R5.2 | length 3.8
  L1 w0.254: D2.3 80.5,43.5 v1(81,43)
  L4 w0.254: v1(81,43) R5.2
NetD3_1: D3.1 R34.2 | length 3.8
  L1 w0.254: D3.1 80.5,40.5 v1(81,41)
  L4 w0.254: v1(81,41) R34.2
NetD3_3: D3.3 R15.2 | length 3.8
  L1 w0.254: D3.3 80.5,39.5 v1(81,39)
  L4 w0.254: v1(81,39) R15.2
NetD4_1: D4.1 R36.2 | length 3.8
  L1 w0.254: D4.1 80.5,36.5 v1(81,37)
  L4 w0.254: v1(81,37) R36.2
NetD4_3: D4.3 R35.2 | length 3.8
  L1 w0.254: D4.3 80.5,35.5 v1(81,35)
  L4 w0.254: v1(81,35) R35.2
NetD5_1: D5.1 R38.2 | length 3.8
  L1 w0.254: D5.1 80.5,32.5 v1(81,33)
  L4 w0.254: v1(81,33) R38.2
NetD5_3: D5.3 R37.2 | length 3.8
  L1 w0.254: D5.3 80.5,31.5 v1(81,31)
  L4 w0.254: v1(81,31) R37.2
NetR2_1: R2.1 U1.2 VR1.1 | length 9.5
  L4 w0.25: 31.568,45.128 32.635,46.195 U1.2
  L4 w0.254: R2.1 28.725,39.675 28.823,39.773 28.998,39.773 29.46,40.235 VR1.1 29.718,42.318 29.718,43.278 31.568,45.128
NetR3_1: R3.1 U2.1 U2.2 | length 5.7
  L4 w0.25: U2.2 U2.1 52.1,52.175 R3.1
NetR7_1: R7.1 U1.6 VR2.1 | length 9.3
  L4 w0.254: R7.1 28.725,60.825 28.823,60.727 28.998,60.727 29.46,60.265 VR2.1 29.46,56.405 31.365,54.5 U1.6
NetR8_1: R8.1 U2.6 U2.7 | length 12.6
  L4 w0.25: U2.6 U2.7 46.635,56.365 47.5,55.5 49.5,55.5 51,57 51,59.725 R8.1
NetR12_1: R12.1 U3.2 VR3.1 | length 8.6
  L4 w0.25: VR3.1 29.46,65.495 28.725,66.23 R12.1 31.275,68.06 32.635,69.42 U3.2
NetR13_1: R13.1 U4.1 U4.2 | length 5.7
  L4 w0.25: U4.2 U4.1 52.1,70.175 R13.1
NetR17_1: R17.1 U3.6 VR4.1 | length 8.1
  L4 w0.25: VR4.1 29.46,80.625 28.725,79.89 R17.1 31.275,78.06 31.365,77.97 U3.6
NetR18_1: R18.1 U4.6 U4.7 | length 11
  L4 w0.25: U4.6 U4.7 46.635,74.865 47.5,74 48.5,74 52.275,77.775 R18.1
NetR22_2: R22.2 R25.1 U5.1 | length 20.7
  L4 w0.25: R25.1 52.825,18.725 52.725,18.825 52.725,19 46.5,25.225 46.5,29.5 47.905,30.905 U5.1 52.82,30.905 R22.2
NetR25_2: R25.2 U6.2 VR5.3 | length 10.1
  L4 w0.25: R25.2 53,16 53.46,15.54 VR5.3
  L4 w0.254: R25.2 53.175,17.275 54.265,18.365 U6.2
NetR27_2: R27.2 R30.1 U5.7 | length 31.1
  L4 w0.25: R30.1@33.225,18.725 R30.1 32.95,18.775 32.225,18.775 31,20 31,22.66 33,24.66 44.66,24.66 45.5,25.5 45.5,28.5 44.365,29.635 U5.7 39.09,29.635 R27.2
NetR30_2: R30.2 U16.2 VR6.3 | length 17.9
  L4 w0.254: R30.2 34.91,17.275 36,18.365 U16.2 37.635,18.365 41,15 45,15 47.54,12.46 VR6.3
NetR31_2: R31.2 U11.10 | length 4.9
  L4 w0.25: R31.2 62.725,40.775 63.875,39.625 U11.10
NetR32_2: R32.2 U11.14 | length 5.8
  L4 w0.25: R32.2 62.725,36.225 63.525,37.025 U11.14
STICK_OUT1: J5.1 U6.1 VR5.1 VR5.2 | length 13.7
  L4 w0.254: U6.1 56.985,17.095 56.802,16.912 56.802,14.802 56,14 VR5.2 VR5.1 J5.1
STICK_OUT2: J6.1 U16.1 VR6.1 VR6.2 | length 14.6
  L4 w0.254: U16.1 37.175,15.175 36,14 J6.1 VR6.1 VR6.2
pads on no net: J7.3 J7.8 J7.9 J7.10 J7.11 J7.12 J7.13 J7.14 J7.43 J7.45 J7.46 J8.3 J8.6 J8.9 J8.12 J8.13 J8.14 J8.15 J8.16 J8.17 J8.18 J8.19 U6.5 U6.6 U6.7 U16.5 U16.6 U16.7

## Polygon pours and split planes (outlines as drawn)
+5V on L3 (PWR) "+5V_L03_P016" (solid, pour order 16): 2,98 98,98 98,2 2,2
-5V on L3 (PWR) "-5V_L03_P010" (solid, pour order 10): 27,73 46,73 46,45 28,45 28,49.2 39,49.2 39,68 27,68
GND on L1 "GND_L01_P018" (solid, pour order 18): 2,98 98,98 98,2 2,2
HDMI_SHLD on L1 "HDMI_SHLD_L01_P012" (solid, pour order 12): 2,59 2,41 10,41 10,59
HDMI_SHLD on L4 "HDMI_SHLD_L04_P014" (solid, pour order 14): 2,59 2,41 10,41 10,59
GND on L4 "GND_L04_P020" (solid, pour order 20): 2,98 98,98 98,2 2,2
GND on L2 (GND) (split plane): 99.49,0.51 0.51,0.51 0.51,99.49 99.49,99.49

## Keep-outs
Keep-Out Layer:
  the board outline again, w0.2

## Silkscreen, mask and mechanical layers (free items; w line width, h text height)
Top Overlay:
  lines w0.2: 62.25,78 94,78
  lines w0.254: 40,39 46,39 46,84 40,84 40,39 ; 77,30 88,30 88,46 77,46 77,30 ; 77,49 88,49 88,51 77,51 77,49
  lines w0.3: 17,22 17,36 ; 17,44 17,58 ; 17,66 17,80 ; 39,18 61,18 ; 50.114,85.008 cw(c54.75,86.25) 51.356,89.644 ; 58.144,82.856 ccw(c54.75,86.25) 59.386,87.492
  text "RING" at 50.25,84.75 h4
  text "GAIN" at 44,84 h1.5 r270
  text "SDRdrum" at 62,83 h8
  text "X2" at 14,82 h5
  text "X2" at 40,80 h2
  text "For the Arty A7 FPGA board" at 62.25,79 h1.5
  text "Rev C" at 62.25,75.5 h1.5
  text "2019-01-27" at 71.75,75.5 h1.5
  text "github.com/darrylring/SDRdrum" at 62.25,73 h1
  text "Y2" at 40,64 h2
  text "-5V0" at 55,61.405 h1
  text "Y2" at 14,60 h5
  text "INPUTS" at 17,58 h2.5 r270
  text "+5V0" at 55,57.41 h1
  text "Y1" at 40,57 h2
  text "+3V3" at 55,53.405 h1
  text "+2V5" at 55,49.41 h1
  text "POWER" at 81,49 h1.5
  text "CLIPPING" at 86,46 h1.5 r270
  text "+15V" at 55,45.41 h1
  text "X2" at 81,43 h2
  text "-15V" at 55,41.405 h1
  text "X1" at 40,41 h2
  text "Y2" at 81,39 h2
  text "Y1" at 14,38 h5
  text "Y1" at 81,35 h2
  text "X1" at 81,31 h2
  text "STICKS" at 39,18 h2.5
  text "X1" at 14,16 h5
  text "1" at 34,16 h5
  text "2" at 62,16 h5
Mechanical 1:
  the board outline again, w0.2